# KiCad board klor1_3.kicad_pcb (continued)
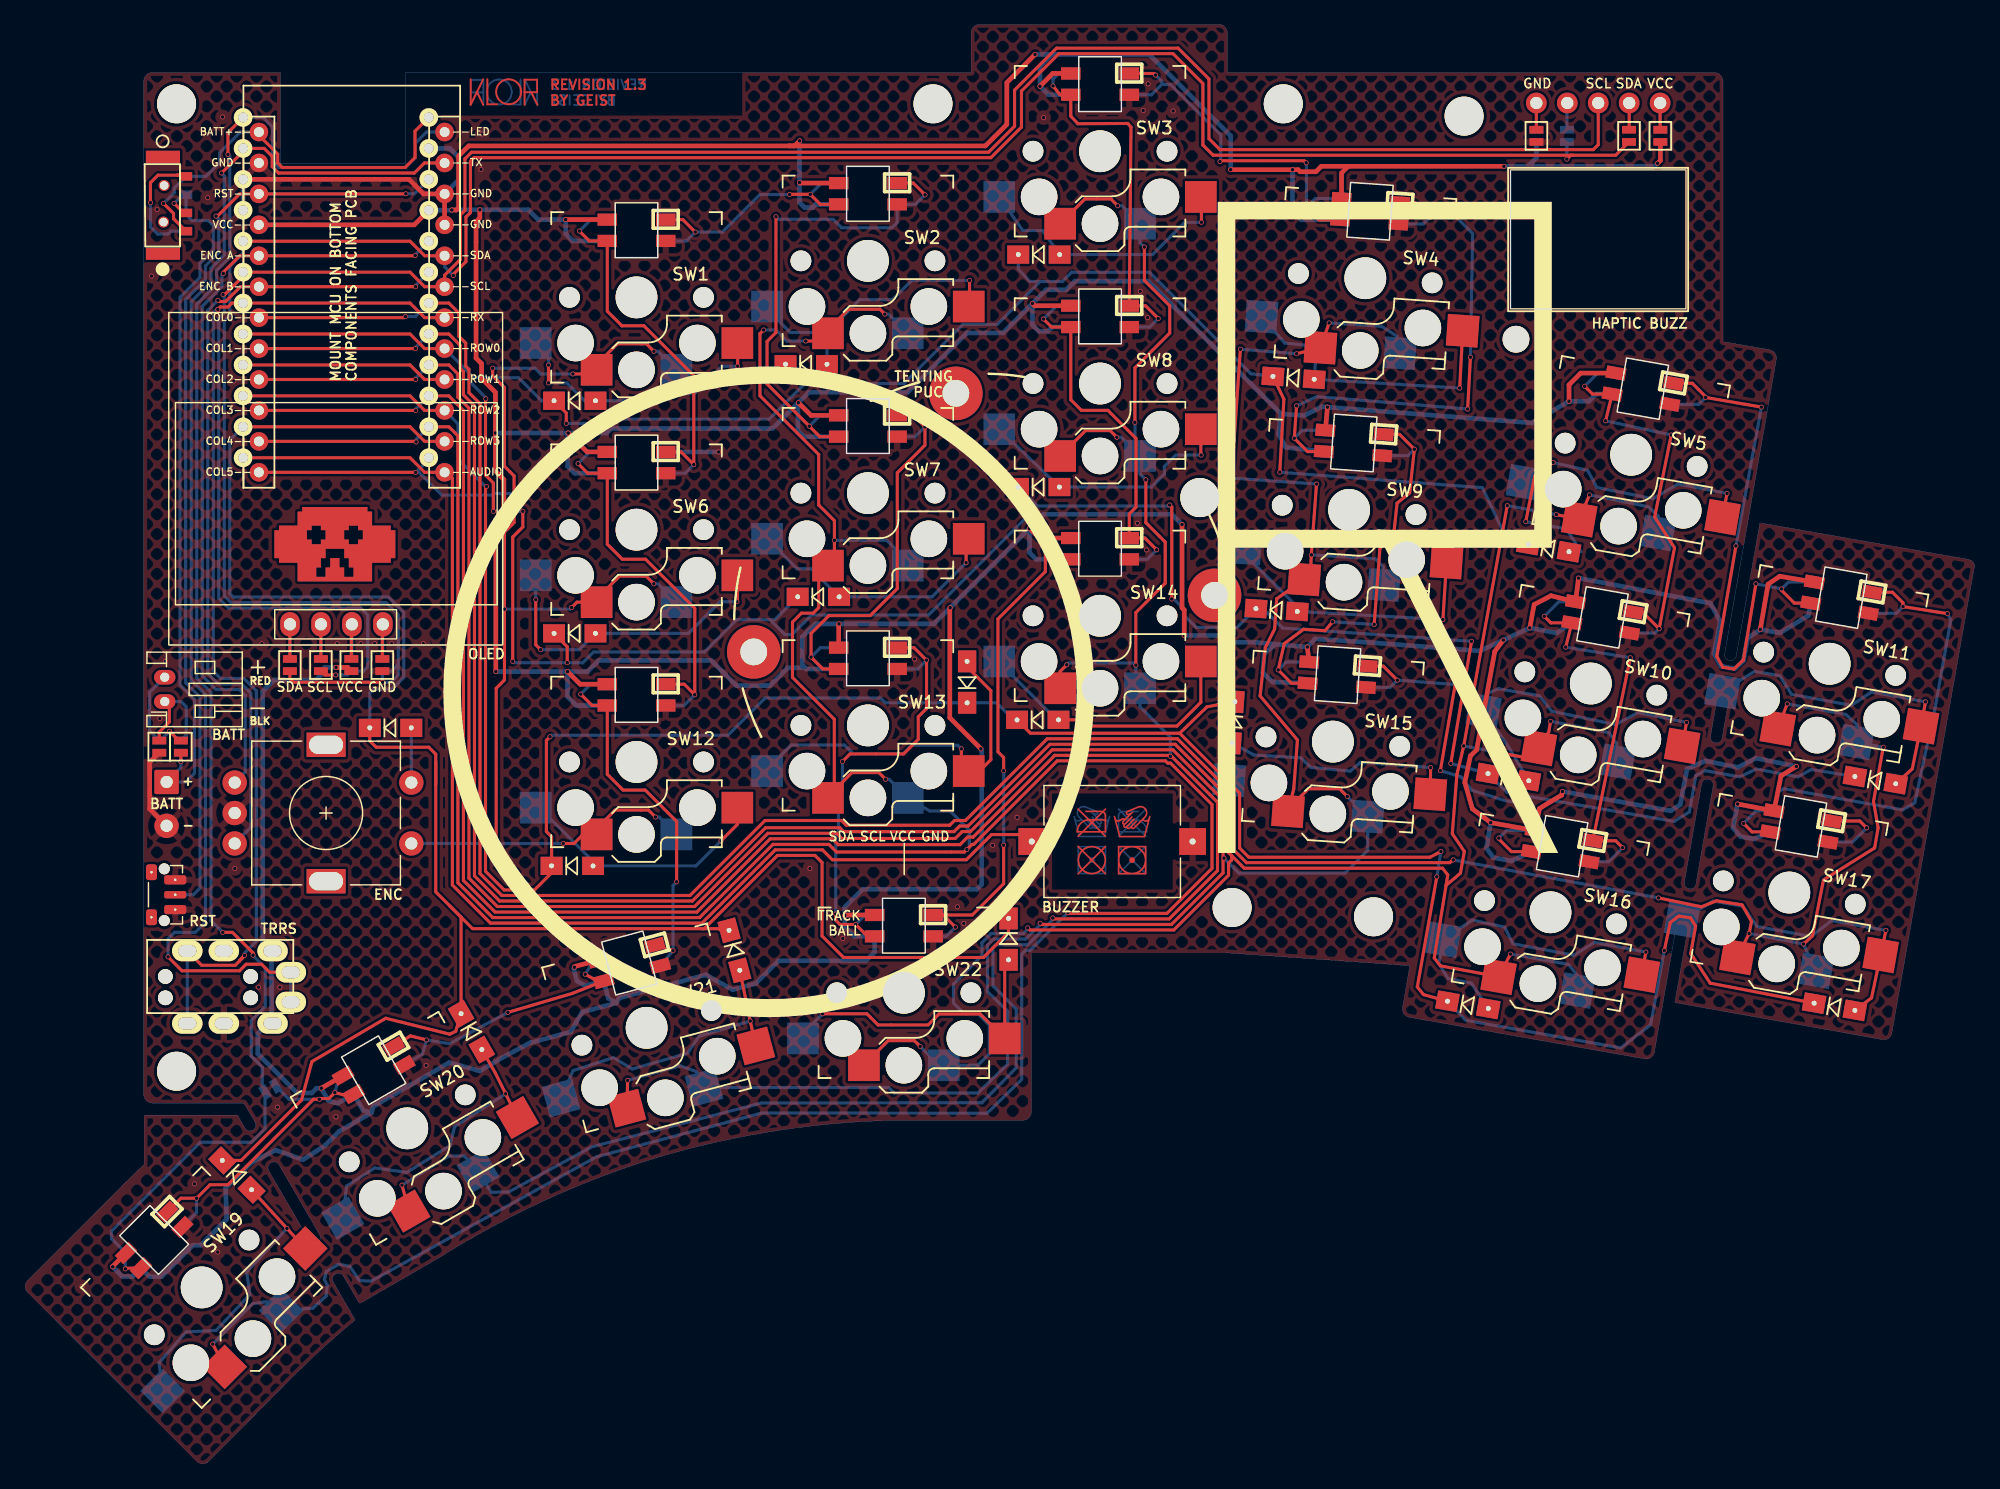
[diagram p0: board, top side]
## Routing (per net, layer and track width the routed paths; a pad name or vN(x,y) marks a point on that pad's centre or on a via; arc(x,y) is an arc through that point) (continued)
+BATT: length 32.4
  Top w0.254: v1(11.42,103.55) 12.24,102.73 12.24,102.3 12.25,102.3 PSW1.3 ; U1.24 32.06,109.48 32.06,107.32 31.25,106.5 21.16,106.5 20.79,106.88 20.79,107.61 19.25,109.15
  Bottom w0.254: v1(11.42,103.55) 12.3,104.44 12.3,104.81 PSW1.3 14.89,105.78 16.02,106.91 16.02,107.72 17.72,109.42 U1.24
/PAD1: length 8.1
  Top w0.254: 11.9,62.28 11.9,60.98 11.07,60.15 JP22.1
  Bottom w0.254: BT1.1 12.86,62.65 13.28,62.23 13.28,59.89 JP23.1
/PAD2: length 8.2
  Top w0.254: 12.68,59.45 v1(11.91,60.22)
  Bottom w0.254: JP25.1 10.27,60.25 10.27,63.4 BT1.2 ; 11.14,59.45 v1(11.91,60.22)
/PSW: length 59.2
  Top w0.254: v1(12.85,57.73) JP24.2 ; 13.07,102.78 v1(12.29,103.56)
  Bottom w0.254: PSW1.2 13.27,102.64 13.76,102.15 15.1,102.15 15.5,101.75 15.5,99.71 14.41,98.62 14.41,97.48 12.78,95.85 12.78,64.02 13.96,62.84 13.96,56.77 13.25,56.05 BT2.1 12.85,57.23 v1(12.85,57.73) JP24.2 ; 13.01,104.28 v1(12.29,103.56)
AUDIO: length 103.9
  Top w0.254: U1.12 31.65,82.67 32.85,81.48 U1.12 ; BZ1.1 82.36,51.16 81.79,51.73 79.38,51.73 77.31,49.66 66.31,49.66 65.5,50.48 61.63,50.48 55.61,44.46 38.25,44.46 35.13,47.59 35.13,68.45 35.13,81 34.65,81.48
col0: length 224.1
  Top w0.254: v1(134.11,46.53) 137.63,45.8 138.87,46.29 140.97,45.96 141.75,44.6 v1(141.55,43.61) SW17.5 ; v1(146.01,42.74) 146.75,43.41 147.66,48.01 151.85,50.63 152.14,52.29 151.76,54.45 v1(152.56,58.9) ; v1(31.27,94.26) 31.19,94.18 U1.18 ; v1(117.27,49.65) 116.97,49.43 100.3,49.43 99.29,50.44 99.29,54.95 94.63,59.6 83.95,59.6 77.24,52.89 76.34,52.89 75.95,52.5 67.45,52.5 67.07,52.89 60.79,52.89 54.63,46.73 39.19,46.73 37.39,48.53 37.39,87.12 36.49,88.03 36.49,89.93 36.22,90.2 36.22,92.09 35.66,92.65 35.66,94.55 34.83,95.37 U1.18 ; SW11.5 v1(144.68,62.46)
  Bottom w0.254: U1.18 32.08,94.26 v1(31.27,94.26) ; v1(144.68,62.46) 149.49,61.59 150.44,60.73 SW11.5 v1(152.56,58.9) ; SW17.5 v1(146.01,42.74) v1(141.55,43.61) ; v1(117.27,49.65) v1(134.11,46.53)
col1: length 290.1
  Top w0.254: v1(125.73,78) SW5.5 v1(128.45,79.62) ; v1(120.85,58.5) 123.06,58.07 SW10.5 125.11,60.17 v1(125.26,61.03) ; v1(121.97,41.92) SW16.5 116.22,40.95 115.71,41.6 116.68,47.56 ; v1(32.1,91.64) 32.09,91.64 U1.17 ; 116.68,47.56 116.82,48.41 116.39,48.97 100.11,48.97 99.08,50.01 ; 116.68,47.56 117.86,48.56 118.18,50.34 117.19,51.8 117.57,56.67 v1(118.13,59.01) v1(121.7,78.74) ; v1(73.52,34.33) 73.04,34.81 70.89,34.81 68.91,32.83 SW22.5 ; v1(82.35,44.07) 82.51,43.9 94.34,43.9 98.83,48.4 98.83,49.39 99.08,49.63 99.08,50.01 ; 99.08,50.01 98.83,50.25 98.83,54.76 94.45,59.15 84.17,59.15 77.46,52.43 76.76,52.43 76.3,51.97 67.24,51.97 66.92,52.29 60.84,52.29 54.82,46.28 39,46.28 36.94,48.34 36.94,86.93 36.03,87.84 36.03,89.74 35.77,90.01 35.77,91.9 34.83,92.83 U1.17
  Bottom w0.254: v1(125.26,61.03) 130.04,60.1 130.67,59.21 SW10.5 ; SW5.5 134.09,77.87 133.27,78.65 v1(128.45,79.62) ; v1(120.85,58.5) v1(118.13,59.01) ; v1(82.35,44.07) 82.35,43.97 81.98,43.6 79.34,43.6 78.59,42.85 78.59,41.79 76.25,39.45 76.25,37.9 77.03,37.12 78.16,37.12 79.18,36.1 79.18,33.72 78.25,32.8 SW22.5 75.06,32.8 v1(73.52,34.33) ; v1(32.1,91.64) 32.1,91.74 U1.17 ; SW16.5 127.44,40.18 126.73,41.07 v1(121.97,41.92) ; v1(121.7,78.74) v1(125.73,78)
col2: length 298.5
  Top w0.254: v1(107.08,93.74) SW4.5 v1(104.42,91.21) ; v1(32.11,89.09) 32.1,89.1 U1.16 ; SW21.5 v1(49.51,31.54) ; v1(99.8,91.58) v1(99.07,81) ; v1(106.05,80.52) v1(105.62,74.7) 105.55,73.12 SW9.5 102.78,71.09 102.61,68.61 101.84,67.07 101.42,63.11 104.48,59.5 104.18,55.48 SW15.5 103.71,53.82 105.38,55.49 107.94,55.49 v1(108.57,54.86) ; v1(83.37,44.45) 83.46,44.36 94.15,44.36 98.38,48.59 98.38,54.57 94.26,58.69 84.36,58.69 77.65,51.98 76.97,51.98 76.4,51.41 67.09,51.41 66.67,51.84 61.02,51.84 55.01,45.83 38.82,45.83 36.49,48.16 36.49,86.74 35.58,87.65 35.58,89.56 34.84,90.29 U1.16
  Bottom w0.254: v1(98.45,49.8) 99.67,48.57 108.38,48.57 110.24,50.44 SW15.5 108.58,54.86 v1(108.57,54.86) ; v1(107.08,93.74) 111.39,93.46 112.64,92.65 SW4.5 ; v1(104.42,91.21) v1(99.8,91.58) ; v1(83.37,44.45) 83.37,44.35 82.17,43.15 79.53,43.15 79.04,42.66 79.04,39.12 79.03,38.85 80.7,37.22 80.69,32.88 78.77,31.02 78.26,30.51 71.39,30.51 70.94,30.97 SW21.5 55.16,32.26 53.83,32.75 v1(49.51,31.54) ; SW9.5 111.51,73.74 110.87,74.37 v1(105.62,74.7) ; v1(99.07,81) v1(106.05,80.52) ; U1.16 32.11,89.21 v1(32.11,89.09)
col3: length 295.2
  Top w0.254: v1(32.12,86.54) 32.1,86.56 U1.15 ; v1(85.55,65.67) 85.01,65.13 SW14.5 ; v1(89.73,103.36) 89.17,103.92 87.04,103.92 SW3.5 ; v1(89.66,84.35) 89.11,84.9 87.09,84.9 SW8.5 ; v1(91.92,99.97) 91.92,97.23 94,95.15 94,92.91 91.14,90.05 v1(91.14,85.57) ; v1(92.04,80.86) 92.04,77.34 93.63,75.75 93.63,72.37 91.22,69.96 v1(91.22,65.64) ; 94.07,58.24 84.56,58.24 84.56,58.22 77.87,51.52 77.86,51.53 77.41,51.53 76.79,50.9 66.79,50.9 66.31,51.39 61.21,51.39 55.2,45.37 38.63,45.37 36.03,47.97 36.03,86.55 34.83,87.75 U1.15 ; SW20.5 v1(30.99,22.95) ; v1(84.41,44.88) 84.48,44.81 93.96,44.81 97.92,48.77 97.92,54.38 94.16,58.15 v1(94.05,58.15)
  Bottom w0.254: v1(92.04,80.86) 91.56,81.35 SW8.5 ; SW8.5 90.02,84.35 v1(89.66,84.35) ; SW8.5 91.14,83.23 v1(91.14,85.57) ; v1(94.05,58.15) 94.05,59.73 91.56,62.23 SW14.5 91.22,64.08 v1(91.22,65.64) 91.05,65.81 85.69,65.81 v1(85.55,65.67) ; v1(32.12,86.54) 32.12,86.68 U1.15 ; v1(84.41,44.88) 84.41,44.74 82.35,42.68 79.71,42.68 79.5,42.47 79.5,39.31 81.4,37.4 81.4,32.56 78.58,29.71 60.5,29.69 46.56,26.09 39.75,22.39 38.31,22.36 SW20.5 36.11,25.34 34.83,25.34 v1(30.99,22.95) ; v1(89.73,103.36) 90.08,103.36 SW3.5 91.56,100.34 v1(91.92,99.97)
col4: length 319
  Top w0.254: v1(32.15,83.97) 32.1,84.02 U1.14 ; SW19.5 v1(15.46,9.89) ; v1(64.13,92.25) 65.32,92.25 SW2.5 ; v1(60.67,93.16) 60.37,92.86 60.37,87.76 65.19,82.94 65.19,78.79 66.48,77.5 v1(66.48,75.89) 66.48,74.34 SW7.5 65.96,73.35 65.19,72.58 65.19,70.36 64.74,69.91 63.77,69.91 63.04,69.18 63.04,64.63 66.47,61.2 66.47,55.26 SW13.5 65.96,54.86 67.92,56.82 70.13,56.82 v1(70.68,56.27) ; 65.89,92.95 SW2.5 ; SW2.5 65.96,93.19 67.63,94.86 70.22,94.86 v1(70.62,94.46) ; U1.14 34.85,85.21 35.58,84.48 35.58,47.78 38.44,44.92 55.42,44.92 61.44,50.93 66.02,50.93 66.65,50.3 77.15,50.3 v1(77.35,50.5) 77.78,50.93 77.91,50.93 84.77,57.79 93.65,57.79 93.83,57.6 94.07,57.6 97.47,54.2 97.47,48.96 93.77,45.26 85.66,45.26 85.65,45.28 v1(85.65,45.34)
  Bottom w0.254: v1(60.67,93.16) 61.68,93.16 62.59,92.25 v1(64.13,92.25) ; v1(32.15,83.97) 32.15,84.17 U1.14 ; v1(77.35,50.5) 77.56,50.71 77.56,52.08 75.97,53.67 74.28,53.67 SW13.5 70.98,56.27 v1(70.68,56.27) ; v1(70.62,94.46) 70.93,94.46 SW2.5 ; 83.03,42.72 v1(85.65,45.34) ; 83.03,42.72 82.54,42.23 82.17,42.23 81.85,41.91 81.85,32.38 81.85,31.63 79.01,28.85 60.53,28.87 46.95,25.27 28.47,15.07 27.5,15.1 26.7,16.28 25.79,16.45 24.78,15.86 24.62,15.2 24.85,14.74 24.76,13.83 23.66,12.84 SW19.5 19.85,13.37 18.72,13.21 v1(15.46,9.89) ; 83.03,42.72 82.58,42.27 82.58,42.27 ; v1(66.48,75.89) 70.78,75.89 72.51,74.17 SW7.5
ENCA: length 63.5
  Top w0.254: v1(16.32,97.8) 16.34,97.82 16.34,97.92 17.68,99.26 U1.20 32.05,99.26 v1(32.08,99.28)
  Bottom w0.254: v1(16.32,97.8) 16.22,97.71 16.22,96.73 14.6,95.1 14.6,64.77 15.72,63.65 17.65,63.65 18.13,63.16 18.13,56.88 SW18.A ; U1.20 32.08,99.34 v1(32.08,99.28)
ENCB: length 66.5
  Top w0.254: v1(32.11,96.72) 32.1,96.72 U1.19 17.74,96.72 16.52,95.5 15.98,95.5 v1(15.88,95.6)
  Bottom w0.254: U1.19 32.11,96.83 v1(32.11,96.72) ; SW18.B 18.59,52.33 18.59,63.35 17.83,64.1 15.91,64.1 15.05,64.96 15.05,94.77 v1(15.88,95.6)
LED: length 130.9
  Top w0.254: v1(8.29,16.07) 8.35,16.13 SW19.3 ; v1(18.77,41.83) 18.77,42.02 17.08,43.7 v1(16.28,43.7) ; v1(16.71,107.57) 16.71,109.37 U1.1
  Bottom w0.254: 19.76,30.89 19.52,31.13 19.52,32.64 18.62,33.54 18.62,36.47 19.76,37.61 19.76,40.79 18.77,41.79 v1(18.77,41.83) ; v1(8.29,16.07) 8.29,17.32 ; U1.1 19.59,110.61 20.37,109.84 20.37,107.02 20.89,106.5 31.25,106.5 32.07,107.33 32.07,108.49 33,109.42 U1.1 ; v1(16.71,107.57) 16.86,107.42 16.86,99.14 15.77,98.05 15.77,96.92 14.14,95.29 14.14,64.58 15.32,63.4 15.32,44.66 v1(16.28,43.7) ; JP26.2 19.76,27.58 18.65,26.47 14.45,26.47 7.15,19.17 7.15,18.56 SW19.3
RESET: length 77.9
  Top w0.254: v1(15.73,102.51) 15.85,102.51 17.67,104.34 U1.22 31.3,104.34 v1(31.31,104.35)
  Bottom w0.254: v1(15.73,102.51) 15.96,102.28 15.96,99.52 14.86,98.43 14.86,97.3 13.23,95.67 13.23,64.21 14.41,63.03 14.41,47.33 13.88,46.79 RSW1.2 ; v1(31.31,104.35) 31.32,104.35 32.01,104.35 U1.22
row0: length 134.9
  Top w0.254: D1.1 44.47,86.35 v1(44.47,85.49) ; D4.1 103.37,87.48 v1(103.03,81.48) ; U1.8 31.65,92.83 32.85,91.64 U1.8
  Bottom w0.254: D4.1 100.66,89.57 92.33,97.9 85.95,97.9 85.19,97.14 83.36,97.14 ; v1(44.47,85.49) 47.67,85.49 48.02,85.84 61.13,85.84 64.13,88.84 ; 64.13,88.84 65.62,88.84 65.7,88.76 72.17,88.76 77.03,93.62 79.84,93.62 83.36,97.14 ; 64.13,88.84 63.52,88.84 62.47,89.89 D2.1 ; 83.36,97.14 82.5,97.15 81.57,98.16 D3.1 ; U1.8 36.88,89.24 40.55,89.24 42.44,87.35 D1.1 ; v1(103.03,81.48) 119.66,80.21 121.63,76.06 124.42,75.54
row1: length 196.8
  Top w0.254: v1(94.17,71.07) 94.17,78.62 v1(94,78.79) ; v1(37.87,87.51) 37.85,87.49 37.85,81.25 38.49,80.61 38.49,78.27 v1(38.49,78.27) ; v1(40.91,78.28) 40.91,76.99 40.08,76.16 v1(40.08,65.95) ; v1(44.55,65.84) 44.55,67.15 43.47,68.23 D6.1 ; v1(118.77,67.6) v1(117.07,57.57) ; U1.9 32.85,89.1 31.65,90.29 U1.9
  Bottom w0.254: v1(40.91,78.28) 38.5,78.28 v1(38.49,78.27) ; v1(94.17,71.07) 94.33,71.07 95.22,70.18 95.22,69.7 96.18,68.74 99.53,68.74 D9.1 101.67,70.29 103.26,68.69 v1(118.77,67.6) ; D8.1 83.16,78.7 ; 83.16,78.7 82.51,78.05 82.5,78.05 74.21,69.76 64.61,69.76 63,68.15 62.42,68.15 61.2,69.37 ; 83.16,78.7 93.91,78.7 v1(94,78.79) ; 61.2,69.37 61.59,69.37 D7.1 ; 61.2,69.37 58.45,69.37 55.8,66.72 46.71,66.72 45.83,65.84 v1(44.55,65.84) 40.19,65.84 v1(40.08,65.95) ; v1(117.07,57.57) D10.1 121.69,55.19 122.54,55.02 135.39,52.81 136.65,53.59 137.18,56.58 137.93,56.98 140.77,56.47 142.14,57.11 145.56,56.47 146.65,57.07 D11.1 ; U1.9 36.39,89.1 37.92,87.57
row2: length 220
  Top w0.254: v1(43.14,59.76) 42.84,59.46 42.84,51.98 43.27,51.55 D12.1 43.27,48.59 41.87,47.19 39.38,47.19 37.85,48.72 37.85,80.29 37.87,80.31 37.94,80.31 ; D17.1 138.36,39.53 136.76,41.96 137.16,44.22 136.74,44.89 135.78,45.04 135.08,44.51 v1(134.59,42.21) ; U1.10 32.85,86.56 31.65,87.75 U1.10 ; 94.82,60.05 99.74,55.14 99.74,50.63 100.49,49.88 115.37,49.88 v1(116.26,50.34) ; 94.82,60.05 97.06,62.22 D15.1 ; 94.82,60.05 82.57,60.05 D14.1 ; v1(115.92,48.26) 114.32,39.22 114.83,38.59 D16.1
  Bottom w0.254: D16.1 118.3,36.48 131.01,34.21 133.47,36.12 v1(134.59,42.21) ; D14.1 81.18,61.15 79.78,62.55 D13.1 70.65,62.55 70.26,62.94 60.79,62.94 57.74,59.89 43.27,59.89 v1(43.14,59.76) ; v1(116.26,50.34) v1(115.92,48.26) ; U1.10 35.58,85.47 35.58,82.57 37.83,80.31 37.94,80.31 v1(37.93,80.32)
row3: length 175.4
  Top w0.254: 33.76,55.85 33.76,58.34 33.2,58.9 28.87,58.9 28.35,59.42 D18.1 ; 33.76,55.85 33.76,57.69 ; 33.76,55.85 33.76,47.03 34.87,45.93 ; D22.1 80.78,43.71 78.71,41.64 67.23,41.64 65.47,43.41 65.47,49.44 64.88,50.02 61.81,50.02 55.8,44.01 55.6,44.01 ; 34.87,45.93 35.84,44.95 D20.1 35.4,35.58 34.9,35.34 29.65,36.65 23.6,33.1 22.75,29.97 22.75,29.94 17.79,24.98 D19.1 ; 34.87,45.93 36.79,44.01 55.6,44.01 ; D21.1 57.15,43.87 57.02,44.01 55.6,44.01 ; U1.11 31.65,85.21 32.85,84.02 U1.11
  Bottom w0.254: D18.1 28.35,63.36 28.67,63.68 30.18,63.68 31.14,64.64 31.14,69.96 29.87,71.23 17.14,71.23 16.86,71.51 16.86,84.12 U1.11
RX: length 87.5
  Top w0.254: U1.7 32.85,94.18 31.65,95.37 U1.7 17.03,95.37 16.71,95.05 16.07,95.05 v1(15.87,94.85) ; 17.95,41.65 17.66,41.35 ; 17.66,41.35 17.31,41 14.55,41 J1.3 ; 17.66,41.35 17.66,41.4 v1(18.07,41.81)
  Bottom w0.254: J1.3 J1.3 ; v1(15.87,94.85) 15.77,94.85 15.5,94.58 15.5,65.15 16.1,64.55 18.02,64.55 19.04,63.53 19.04,42.98 18.07,42.01 v1(18.07,41.81)
SCL: length 185.5
  Top w0.254: U1.6 31.65,97.91 32.85,96.72 U1.6 34.49,97.66 35.79,98.96 35.79,102.62 36.16,102.99 36.16,107.22 36.7,107.76 79.13,107.76 81.27,109.9 81.27,112.86 84.71,116.31 94.69,116.31 97.22,113.77 97.22,108.87 98.13,107.97 128.76,107.97 129.17,108.38 J2.3 ; JP3.2 24.65,64.84 v1(25.55,64.84) ; v1(16.31,96.07) 16.44,96.07 17.95,97.58
  Bottom w0.254: 16.41,95.87 16.41,94.57 15.96,94.11 15.96,71.14 16.77,70.32 27.62,70.32 28.18,69.77 28.18,65.5 27.83,65.15 JP6.2 26.53,64.84 v1(25.55,64.84) ; 16.41,95.87 16.41,95.97 v1(16.31,96.07) ; 16.41,95.87 16.41,96
SDA: length 200.3
  Top w0.254: v1(29.41,64.24) 22.08,64.24 21.79,64.53 JP4.2 ; U1.5 32.85,99.26 31.65,100.45 U1.5 ; 127.11,107.51 126.92,107.51 v1(126.6,107.19) ; 127.11,107.51 130.61,107.51 JP28.1 ; 127.11,107.51 97.56,107.51 96.72,108.35 96.72,113.4 94.27,115.85 84.9,115.85 81.83,112.78 81.83,109.82 79.32,107.31 36.89,107.31 36.61,107.03 36.61,102.8 36.24,102.43 36.24,98.77 35.2,97.74 v1(35.2,97.63)
  Bottom w0.254: 30.68,65.7 30.68,69.78 29.68,70.78 16.95,70.78 16.41,71.32 16.41,93.91 16.86,94.36 16.86,98.39 17.95,99.48 U1.5 ; 30.68,65.7 30.13,65.15 JP5.2 29.38,64.26 v1(29.41,64.24) 30.1,64.24 30.68,64.82 30.68,65.7 ; JP27.1 v1(126.6,107.19) ; v1(35.2,97.63) 34.49,98.35 U1.5
SW18A: length 121.4
  Top w0.254: v1(38.43,90.02) 38.43,89.4 39.39,88.44 39.39,81.98 40.19,81.18 v1(40.19,79.73) 40.19,77.35 39.4,76.56 v1(39.4,70.24) 39.4,64.42 38.72,63.74 v1(38.72,50.99) ; v1(51.66,72.32) 51.03,72.95 48.84,72.95 46.96,71.08 SW6.5 45.36,70.82 v1(44.91,70.37) ; v1(51.67,91.41) 51.06,92.02 48.66,92.02 46.96,90.33 SW1.5 46.63,89.55 v1(45.02,89.55) ; U1.13 32.1,81.48 v1(32.11,81.47) ; v1(44.23,51) 45.09,51 45.1,50.99 45.85,51.75 SW12.5 46.96,52.23 48.48,53.74 51.22,53.74 v1(51.79,53.17)
  Bottom w0.254: v1(51.66,72.32) 52.01,72.32 SW6.5 ; SW12.5 52.09,53.17 v1(51.79,53.17) ; v1(51.67,91.41) 51.99,91.41 SW1.5 ; SW18.S1 38.71,51 v1(38.72,50.99) 44.22,50.99 v1(44.23,51) ; v1(45.02,89.55) 42.37,89.55 41.9,90.02 v1(38.43,90.02) ; 33.19,82.55 v1(32.11,81.47) 32.4,81.47 34.26,79.6 38.38,79.6 38.51,79.73 v1(40.19,79.73) ; v1(39.4,70.24) 44.78,70.24 v1(44.91,70.37)
SW18B: length 4.5
  Bottom w0.254: SW18.S2 31.76,60.48
TX: length 102.6
  Top w0.254: v1(11.79,41.69) 12.94,40.55 17.66,40.55 18.2,41.09 19.47,41.09 20.13,40.43 J1.4 ; U1.2 19.68,108.07 20.34,107.42 20.34,106.58 20.86,106.05 32.01,106.05 32.84,106.88 U1.2 ; v1(16.18,106.05) 17.95,107.82
  Bottom w0.254: v1(16.18,106.05) 16.41,105.82 16.41,99.33 15.32,98.24 15.32,97.11 13.69,95.48 13.69,64.4 14.87,63.22 14.87,44.54 14.03,43.7 12.32,43.7 11.79,43.18 v1(11.79,41.69) ; J1.4 J1.4
Net-(D1-Pad2): length 22.9
  Top w0.254: SW1.6 58.54,92.06 v1(58.54,90.19) ; v1(43.02,90.28) 43.01,90.27 v1(43.01,88.81)
  Bottom w0.254: v1(43.02,90.28) 43.02,91.03 SW1.6 ; v1(58.54,90.19) 57.26,90.19 55.04,87.97 51.47,87.97 50.85,87.35 D1.2 45.98,87.35 44.52,88.81 v1(43.01,88.81)
Net-(D2-Pad2): length 24.2
  Top w0.254: SW2.6 77.57,95.16 v1(77.57,97.23)
  Bottom w0.254: v1(77.57,97.23) 72.83,97.23 71.25,95.65 68.56,95.65 65.87,92.96 ; SW2.6 60.96,94.86 62.85,92.96 65.87,92.96 ; 65.87,92.96 D2.2
Net-(D3-Pad2): length 22.3
  Top w0.254: SW3.6 96.6,104.05 v1(96.6,102)
  Bottom w0.254: v1(96.6,102) 95.23,102 92.58,99.35 D3.2 83.57,101.32 81.94,101.32 SW3.6
Net-(D4-Pad2): length 24.3
  Top w0.254: v1(117.8,88.39) SW4.6
  Bottom w0.254: SW4.6 103.44,92.09 105.1,91.92 105.98,90.85 D4.2 v1(117.8,88.39)
Net-(D5-Pad2): length 31.9
  Top w0.254: v1(125.47,82.28) 123.96,81.17 v1(123.22,77.42) ; v1(139.74,79.74) SW5.6
  Bottom w0.254: v1(123.22,77.42) 126.54,76.84 127.77,74.95 ; SW5.6 v1(125.47,82.28) 128.3,81.63 129.05,80.23 133.66,79.3 135.71,80.51 v1(139.74,79.74)
Net-(D6-Pad2): length 26.2
  Top w0.254: v1(41.97,71.02) 41.97,67.31 v1(42.37,66.91) ; v1(58.48,70.85) 58.51,70.89 SW6.6
  Bottom w0.254: SW6.6 41.96,71.03 v1(41.97,71.02) ; v1(58.48,70.85) 57.1,70.85 54.5,68.25 D6.2 45.53,66.91 v1(42.37,66.91)
Net-(D7-Pad2): length 21.5
  Top w0.254: SW7.6 77.29,75.8 v1(77.29,74.05)
  Bottom w0.254: v1(77.29,74.05) 74.5,71.26 D7.2 64.57,73.55 63.42,73.55 SW7.6
Net-(D8-Pad2): length 22.1
  Top w0.254: SW8.6 96.56,82.92 v1(96.58,82.89)
  Bottom w0.254: v1(96.58,82.89) 94.5,82.89 93.56,81.95 93.56,81.33 92.5,80.27 D8.2 SW8.6
Net-(D9-Pad2): length 23.6
  Top w0.254: v1(116.42,69.38) SW9.6
  Bottom w0.254: SW9.6 100.21,74.69 104.47,70.42 D9.2 v1(116.42,69.38)
Net-(D10-Pad2): length 27.8
  Top w0.254: SW10.6 v1(136.42,60.94)
  Bottom w0.254: D10.2 121.65,59.18 SW10.6 120.04,63.29 120.97,63.7 124.33,63.13 125.35,61.86 130.58,60.76 132.42,61.74 v1(136.42,60.94)
Net-(D11-Pad2): length 25.9
  Top w0.254: D11.2 154.94,57.12 SW11.6 v1(156.03,62.63)
  Bottom w0.254: SW11.6 141.99,65.12 144.07,64.78 145.04,63.24 149.94,62.34 151.59,63.43 v1(156.03,62.63)
Net-(D12-Pad2): length 21.5
  Top w0.254: v1(57.17,51.22) 58.51,52.57 SW12.6
  Bottom w0.254: SW12.6 42.26,53.95 46.67,49.53 D12.2 55.11,49.16 v1(57.17,51.22)
Net-(D13-Pad2): length 30.8
  Top w0.254: D13.2 77.37,65.5 79.32,63.55 79.32,57.88 78.38,56.95 SW13.6 76.9,57.55 v1(76.9,58.77)
  Bottom w0.254: SW13.6 60.96,57.11 62.93,59.08 67.31,59.08 68.03,58.36 72.12,58.36 72.82,59.06 76.61,59.06 v1(76.9,58.77)
Net-(D14-Pad2): length 22.9
  Top w0.254: D14.2 87.09,61.15 87.6,60.64 94.6,60.64 96.56,62.6 SW14.6
  Bottom w0.254: D14.2 84.72,61.15 80.01,65.87 SW14.6
Net-(D15-Pad2): length 22.4
  Top w0.254: v1(115.41,57.23) SW15.6
  Bottom w0.254: v1(115.41,57.23) 109.65,57.66 108.82,56.94 105.59,57.25 104.76,58.03 100.91,58.26 D15.2 SW15.6
Net-(D16-Pad2): length 28.3
  Top w0.254: v1(133.08,42.08) SW16.6
  Bottom w0.254: v1(133.08,42.08) 128.86,42.88 127.16,41.82 122.18,42.76 121.48,44.13 118.84,44.71 SW16.6 116.09,41.13 116.84,39.91 118.75,39.54 D16.2
Net-(D17-Pad2): length 26
  Top w0.254: v1(152.78,43.86) SW17.6 151.6,38.32 D17.2
  Bottom w0.254: SW17.6 138.59,46.27 141.03,45.85 142.21,44.18 146.63,43.36 148.31,44.66 v1(152.78,43.86)
Net-(D19-Pad2): length 25.5
  Top w0.254: SW19.6 v1(21.55,19.4) D19.2
  Bottom w0.254: SW19.6 11.05,8.36 13.27,10.89 15.73,11.02 18.51,13.97 18.24,15.81 v1(21.55,19.4)
Net-(D20-Pad2): length 25.1
  Top w0.254: D20.2 38.65,32.16 v1(39.5,30.45) SW20.6
  Bottom w0.254: SW20.6 26.44,22.87 28.75,24.36 31.38,23.99 34.93,26.19 35.3,27.74 v1(39.5,30.45)
Net-(D21-Pad2): length 24.9
  Top w0.254: D21.2 v1(59.57,36.42) SW21.6
  Bottom w0.254: SW21.6 45.03,32.35 48.34,33.41 49.89,32.48 54.43,33.78 55.37,35.17 v1(59.57,36.42)
Net-(D22-Pad2): length 25.8
  Top w0.254: v1(65.51,37.01) 69.15,37.01 70.06,36.1 74.17,36.1 75.07,37 78.45,37 SW22.6 80.46,41.13 D22.2
  Bottom w0.254: SW22.6 63.91,35.41 v1(65.51,37.01)
Net-(J2-Pad1): length 4.4
  Top w0.254: J2.1 124.09,109.61
  Bottom w0.254: JP13.2 124.1,111.8
Net-(J2-Pad2): length 2.2
  Bottom w0.254: JP27.2 126.6,111.77
Net-(J2-Pad4): length 2.2
  Top w0.254: J2.4 131.71,109.62
Net-(J2-Pad5): length 4.4
  Top w0.254: J2.5 134.25,109.62
  Bottom w0.254: J2.5 134.25,109.62
Net-(JP1-Pad1): length 5.6
  Top w0.254: JP1.1 29.38,68.95
  Bottom w0.254: OLED1.1 29.42,66.19
Net-(JP2-Pad1): length 5.6
  Top w0.254: JP2.1 26.83,68.95
  Bottom w0.254: OLED1.2 26.88,66.19
Net-(JP3-Pad1): length 5.7
  Top w0.254: JP3.1 24.34,69
  Bottom w0.254: OLED1.3 24.34,66.15
Net-(JP4-Pad1): length 5.7
  Top w0.254: JP4.1 21.79,68.99
  Bottom w0.254: OLED1.4 JP8.1
Net-(JP26-Pad1): length 27
  Top w0.254: 26.69,30.23 v1(25.48,30.55) 24.99,30.06 24.31,30.06 24.31,30.03 ; SW19.1 12.84,21.87 v1(14.13,21.87) 15.24,22.98 16.71,22.98 23.73,30 v1(24.21,30)
  Bottom w0.254: 25.8,31.73 v1(25.48,30.55) ; v1(14.13,21.87) 14.13,20.69 SW19.1 ; v1(24.21,30) 21.71,30 JP26.1
Net-(SW1-Pad1): length 21.7
  Top w0.254: SW2.3 65.33,103.48 v1(64.5,104.3) 62.82,104.3 v1(62.8,104.28) ; v1(55.06,101.2) 54.04,102.23 SW1.1
  Bottom w0.254: v1(64.5,104.3) 65.42,105.23 SW2.3 ; SW1.1 54.33,100.48 v1(55.06,101.2) 57.29,101.2 60.37,104.28 v1(62.8,104.28)
Net-(SW1-Pad3): length 33
  Top w0.254: SW6.1 53.9,83.15 v1(54.94,82.11) 54.94,89.41 50.85,93.5 49.04,93.5 47.84,94.71 SW1.3 46.36,100.48 v1(45.55,101.28)
  Bottom w0.254: v1(45.55,101.28) 46.49,102.23 SW1.3 ; v1(54.94,82.11) 54.23,81.4 SW6.1
Net-(SW2-Pad1): length 41.8
  Top w0.254: SW2.1 72.96,105.23 v1(73.92,104.26) ; SW7.3 65.28,84.4 v1(64.42,85.26) 60.95,88.73 60.95,92.22 61.68,92.95 v1(61.68,102.46)
  Bottom w0.254: v1(73.92,104.26) 73.13,103.48 SW2.1 71.63,101.99 71.19,101.55 67.07,101.55 66.37,102.25 61.89,102.25 v1(61.68,102.46) ; SW7.3 65.31,86.15 v1(64.42,85.26)
Net-(SW3-Pad1): length 32.2
  Top w0.254: v1(105.22,103.22) 106.24,102.21 SW4.3 ; v1(105.2,106.89) 105.03,107.06 98.2,107.06 v1(98.12,106.99) ; SW3.1 92.71,114.23 v1(92.84,114.09)
  Bottom w0.254: SW4.3 105.95,103.95 v1(105.22,103.22) 105.22,106.87 v1(105.2,106.89) ; 93.36,113.33 93.36,113.58 v1(92.84,114.09) ; 93.36,113.33 92.5,112.48 SW3.1 ; 93.36,113.33 94.05,113.33 98.2,109.18 98.2,107.06 v1(98.12,106.99)
Net-(SW3-Pad3): length 31.3
  Top w0.254: v1(93.06,94.1) 92.01,95.15 SW8.1 90.82,109.81 90.56,110.12 86.47,110.1 85.88,110.72 SW3.3 84.99,112.48 v1(84.42,113.2)
  Bottom w0.254: v1(84.42,113.2) 84.42,113.76 84.88,114.23 SW3.3 ; v1(93.06,94.1) 92.36,93.4 SW8.1
Net-(SW4-Pad1): length 46.8
  Top w0.254: v1(104.41,86.93) v1(104.22,84.27) 105.31,83.18 SW9.3 ; v1(118.45,86.67) v1(118.68,90.93) ; SW4.1 114.14,103.62 v1(115.35,102.4)
  Bottom w0.254: SW9.3 104.88,84.93 v1(104.22,84.27) ; v1(118.45,86.67) 106.07,87.69 v1(104.41,86.93) ; SW4.1 114.82,101.87 v1(115.35,102.4) 117.62,102.33 118.86,101.08 v1(118.68,90.93)
Net-(SW10-Pad1): length 35.2
  Top w0.254: v1(129.77,85.7) SW5.3 128.71,87.9 v1(128.06,88.54) ; v1(135.16,84.54) 133.8,77.8 135.43,75.28 v1(134.17,68.63) 132.8,70.01 SW10.1
  Bottom w0.254: v1(134.17,68.63) 133.82,68.28 SW10.1 ; v1(135.16,84.54) v1(129.77,85.7) ; SW5.3 129.14,89.62 v1(128.06,88.54)
Net-(SW10-Pad3): length 34.2
  Top w0.254: v1(131.17,50.65) 130.6,51.22 SW16.1 v1(131.8,66.25) ; v1(126.5,67.12) SW10.3 125.28,69.12 v1(124.74,69.65)
  Bottom w0.254: SW10.3 125.93,70.84 v1(124.74,69.65) ; SW16.1 130.02,49.5 v1(131.17,50.65) ; v1(131.8,66.25) v1(126.5,67.12)
Net-(SW11-Pad1): length 44.5
  Top w0.254: v1(141.1,52.65) 141.8,51.96 SW17.3 ; v1(157.83,69.87) v1(154.18,70.45) 154.18,70.76 153.32,71.63 SW11.1
  Bottom w0.254: v1(157.83,69.87) 158.11,69.38 156.84,62.27 155.15,54.34 154.15,53.76 144.4,55.5 143.88,55.19 SW17.3 142.13,53.68 v1(141.1,52.65) ; SW11.1 153.63,69.9 v1(154.18,70.45)
Net-(SW11-Pad3): length 49.1
  Top w0.254: v1(142.11,72.32) 141.08,66.07 140.31,65.32 139.39,65.47 138.9,66.36 v1(140.47,75.43) ; SW5.1 136.89,88.79 137.98,87.69 v1(137.98,87.62) v1(142.56,86.83) ; SW11.3 145.27,70.74 144.22,71.78 v1(144.22,71.9)
  Bottom w0.254: SW5.1 137.43,87.07 v1(137.98,87.62) ; v1(142.11,72.32) v1(144.22,71.9) 144.78,72.46 SW11.3 ; v1(140.47,75.43) v1(142.56,86.83)
Net-(SW12-Pad1): length 33.3
  Top w0.254: SW12.1 54.16,64.08 v1(55.02,63.21) 55.02,70.3 50.98,74.34 49.07,74.34 47.84,75.58 SW6.3 46.23,81.4 v1(45.44,82.19)
  Bottom w0.254: v1(55.02,63.21) 54.14,62.33 SW12.1 ; SW6.3 46.4,83.15 v1(45.44,82.19)
Net-(SW12-Pad3): length 31.9
  Top w0.254: v1(53.53,47.85) 53.53,52.81 50.96,55.38 49.14,55.38 47.84,56.69 SW12.3 46.6,62.33 v1(45.66,63.26) ; SW21.1 v1(53.24,42.2)
  Bottom w0.254: v1(45.66,63.26) 46.48,64.08 SW12.3 ; SW21.1 v1(53.24,42.2) 53.24,47.56 v1(53.53,47.85)
Net-(SW13-Pad1): length 38.2
  Top w0.254: SW22.3 69.2,43.38 v1(68.22,44.35) 66.94,44.35 66.59,44.7 v1(66.59,45.21) ; SW13.1 73.02,67.08 v1(74.04,66.05) 74.04,62.08 73.36,61.4 73.36,59.55 72.16,58.35 67.76,58.35 v1(67.14,57.73)
  Bottom w0.254: v1(74.04,66.05) 73.32,65.33 SW13.1 ; SW22.3 69,45.13 v1(68.22,44.35) ; v1(66.59,45.21) 66.59,51.67 66.81,51.89 66.81,55.24 67.14,55.57 v1(67.14,57.73)
Net-(SW13-Pad3): length 35.3
  Top w0.254: SW13.3 65.54,65.33 v1(64.56,66.3) 64.56,68.24 66.03,69.71 69.42,69.71 71.64,71.93 71.64,81.43 73.91,83.7 v1(73.91,85.21) 72.97,86.15 SW7.1
  Bottom w0.254: v1(73.91,85.21) 73.1,84.4 SW7.1 ; v1(64.56,66.3) 65.34,67.08 SW13.3
Net-(SW14-Pad1): length 31.5
  Top w0.254: v1(92.93,75.11) 91.97,76.08 SW14.1 90.68,78.06 91.23,78.61 91.23,84.26 88.93,86.56 86.75,86.56 85.88,87.43 SW8.3 84.3,93.4 v1(83.64,94.06)
  Bottom w0.254: v1(83.64,94.06) 84.73,95.15 SW8.3 ; SW14.1 92.15,74.33 v1(92.93,75.11)
Net-(SW14-Pad3): length 45.3
  Top w0.254: v1(80.37,50.87) 80.37,47.7 77.8,45.13 SW22.1 75.42,45.13 v1(76.41,44.13) ; SW14.3 84.52,74.33 v1(83.79,75.05) 83.79,73.32 79.9,69.43 79.9,58.53 80.37,58.06 v1(80.37,56.97)
  Bottom w0.254: v1(76.41,44.13) 75.66,43.38 SW22.1 ; v1(83.79,75.05) 84.82,76.08 SW14.3 ; v1(80.37,50.87) v1(80.37,56.97)
Net-(SW15-Pad1): length 34.2
  Top w0.254: SW15.1 111.53,65.57 v1(112.68,64.41) ; v1(117.43,64.05) v1(116.21,56.98) ; SW16.3 122.04,50.33 121.01,51.36 v1(121.01,51.44)
  Bottom w0.254: v1(117.43,64.05) v1(112.68,64.41) 112.09,63.82 SW15.1 ; v1(121.01,51.44) 121.63,52.06 SW16.3 123.92,53.22 123.13,54.24 121.51,54.52 118.79,55.37 117.91,56.47 v1(116.21,56.98)
Net-(SW15-Pad3): length 37.3
  Top w0.254: SW15.3 104,64.16 v1(102.9,65.25) 103.4,67.41 104.99,68.59 106.75,68.47 v1(107.36,69.2) ; v1(110.78,68.98) 111.25,75.22 112.39,76.45 112.66,78.94 113.69,79.78 v1(114.08,83.37) 112.86,84.59 SW9.1
  Bottom w0.254: v1(114.08,83.37) 113.56,82.85 SW9.1 ; v1(102.9,65.25) 103.55,65.9 SW15.3 ; v1(110.78,68.98) v1(107.36,69.2)
Net-(SW20-Pad1): length 24.1
  Top w0.254: v1(46.03,40.27) 47.16,39.63 ; SW20.1 31.68,35.2 v1(33,34.87) ; v1(39.68,37.13) 45,38.7 SW21.3
  Bottom w0.254: v1(46.03,40.27) 46.7,41.32 ; v1(39.68,37.13) 34.9,34.56 v1(33,34.87) 32.67,33.71 SW20.1
unconnected-(PSW1-Pad1): length 10.3
  Top w0.254: 12.54,105.88 13.17,105.88 ; 12.54,105.88 10.97,105.88 10.35,105.26 10.35,103.62 v1(10.36,103.62) ; 12.54,105.88 12.76,105.88 12.86,105.78
  Bottom w0.254: PSW1.1 12.02,101.28 11.79,101.04 10.94,101.04 10.35,101.63 10.35,103.61 v1(10.36,103.62)
unconnected-(SW17-Pad1): length 6.8
  Top w0.254: v1(151.2,52.28) 150.64,52.85 SW17.1
  Bottom w0.254: SW17.1 150.04,51.12 v1(151.2,52.28)

## Copper pours and planes (outline as drawn; the poured copper is in the pictures)
GND on Top, Bottom: 99.57,115.15 140.42,115.28 140.45,93 145.12,92.2 142.6,78.3 161.1,75 153.7,33.73 135.27,37.2 134.37,32.18 112.05,36.28 112.75,40.15 98.75,41.25 83.5,41.2 83.27,27.28 73.12,27.3 64.82,26.95 57.17,25.65 47.12,22.55 37.62,18.03 28.12,12.3 28.22,11.75 14.72,-1.35 -1.3,14.8 9,24.98 9.02,115.03 9.17,115.03 21.75,114.98 21.77,107.63 30.42,107.6 30.42,114.98 76.97,115.13 77,118.9 99.55,118.9

Small or netless copper shapes (teardrops, artwork), in the pictures only: 7 on Top, 7 on Bottom

## Text on the board
Bottom: REVISION 1.3 / BY GEIST
B.Mask: REVISION 1.3 / BY GEIST
B.Silkscreen: --LED | --TX | --GND | --SDA | --SCL | --ROW1 | --ROW3 | --RX | --ROW2 | --AUDIO | --ROW0 | RST-- | ENC B-- | COL4-- | BATT+-- | GND-- | VCC-- | ENC A-- | COL0-- | COL2-- | COL3-- | COL5-- | COL1-- | RED | BLK | TRACK / BALL | GND | VCC | SCL | SDA | LOST / THUMB? | MOUNT MCU ON BOTTOM / COMPONENTS FACING PCB | TENTING / PUCK | BATT | RST | ENC | OLED | HAPTIC BUZZ | BUZZER
Top: REVISION 1.3 / BY GEIST
F.Mask: REVISION 1.3 / BY GEIST
F.Silkscreen: --SCL | --RX | --ROW1 | --LED | --TX | --GND | --SDA | --ROW0 | --ROW2 | --ROW3 | --AUDIO | COL1-- | COL5-- | RST-- | VCC-- | BATT+-- | GND-- | ENC A-- | ENC B-- | COL0-- | COL2-- | COL3-- | COL4-- | RED | BLK | SDA | SCL | VCC | GND | TRACK / BALL | BUZZER | BATT | RST | ENC | OLED | HAPTIC BUZZ | TENTING / PUCK | MOUNT MCU ON BOTTOM / COMPONENTS FACING PCB
